# Allegro board ADALM-PLUTO Layout.brd (continued)
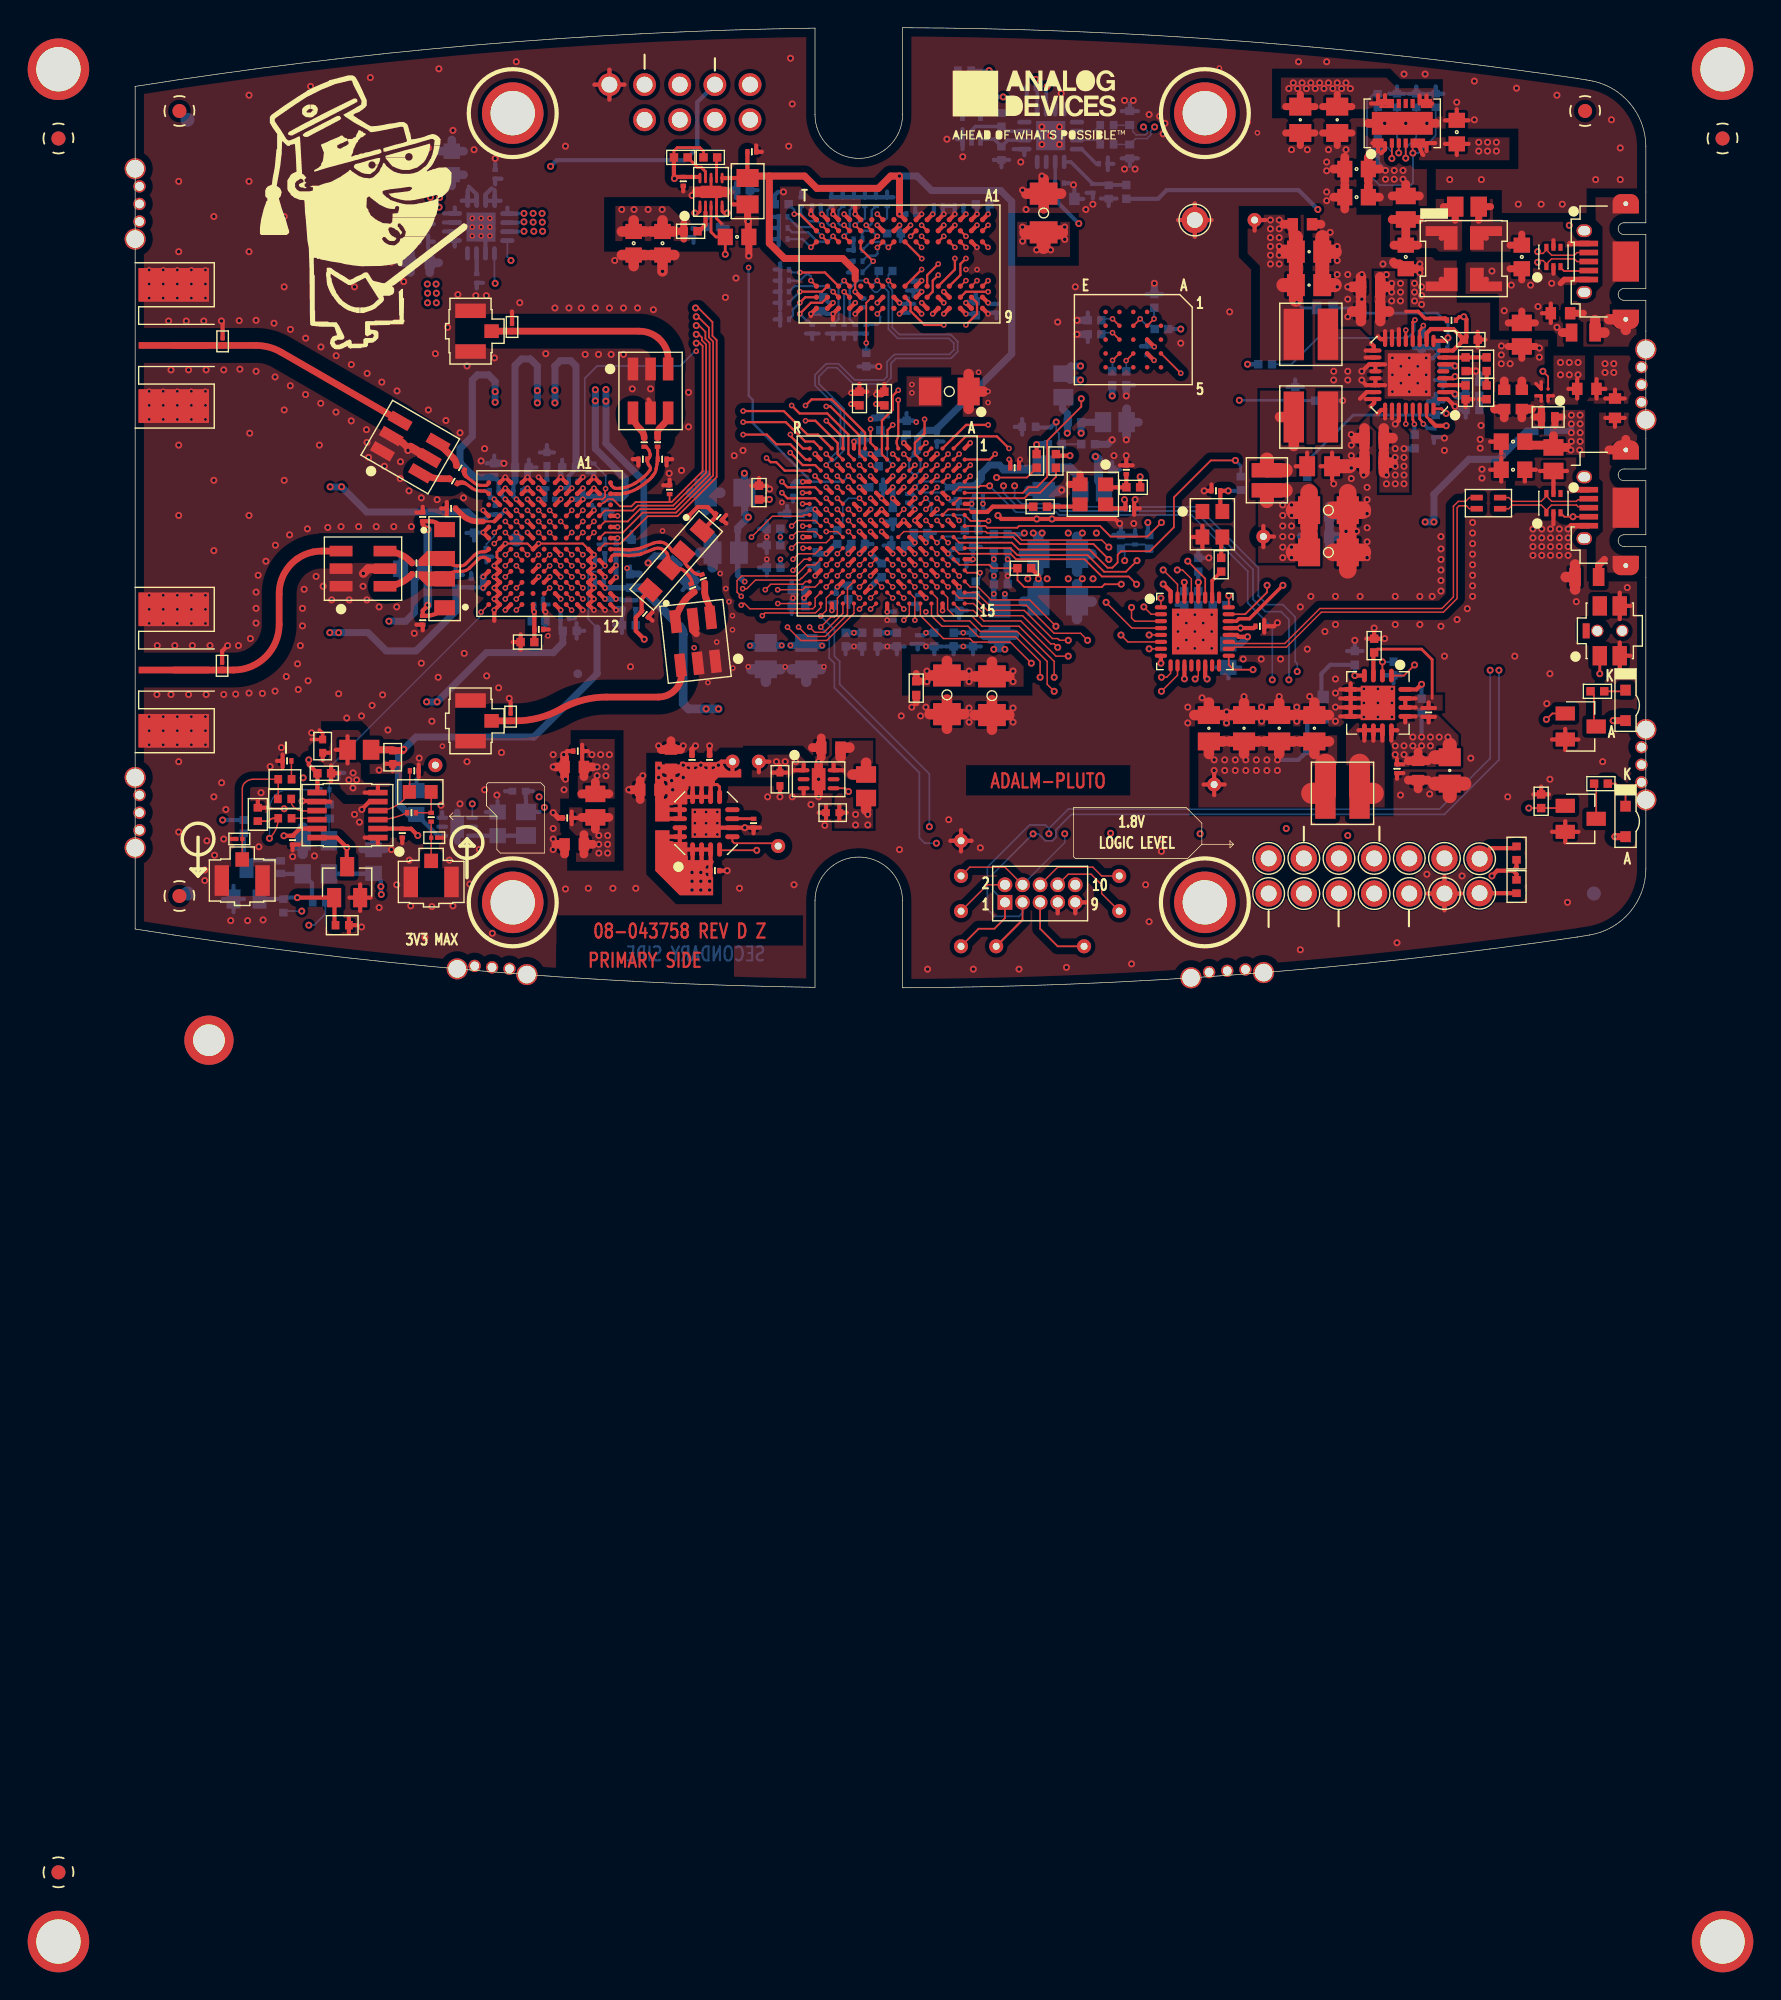
[diagram p0: board, top side]
## Routing (per net, layer and track width the routed paths; a pad name or vN(x,y) marks a point on that pad's centre or on a via; arc(x,y) is an arc through that point) (continued)
  BOTTOM w0.127: v1(57.38,11.63) 57.38,15.44 50.9,21.92 50.9,23.57 50.52,23.95 50.52,25.86 v2(49.53,26.85)
PL_GPIO4: length 73
  TOP w0.102: U4.M14 50.73,28.15 50.73,26.98 50.52,26.77 50.25,26.77 v2(49.53,26.05)
  TOP w0.305: L9N.1 R68.2
  L6_SIG w0.127: v1(57.88,10.44) 57.88,5.11 58.81,4.26 69.7,4.26 70.58,3.38 78.59,3.38 80.11,4.9 96.49,4.9 97.13,5.53 L9N.1
  BOTTOM w0.127: v2(49.53,26.05) 49.53,26.04 50.14,25.44 50.14,23.82 50.52,23.44 50.52,21.66 56.66,15.52 56.66,10.82 57.04,10.44 v1(57.88,10.44)
PS-SRST#: length 33.3
  TOP w0.127: U4.B11 59.53,30.55 61.7,30.55 61.95,30.3 R74.2 63.74,29.44 64.23,28.94 69.84,28.94 70.04,29.14 v1(71.24,29.14) ; v2(75.54,44.38) U13.A4
  L5_SIG w0.127: v1(71.24,29.14) 72.24,30.14 73.44,30.14 75.54,32.24 v2(75.54,44.38)
PS_GPIO0: length 54.7
  TOP w0.102: U4.D8 v2(57.13,33.75)
  L5_SIG w0.127: v2(57.13,33.75) 57.53,34.15 58.13,34.15 58.63,34.65 59.23,34.65 60.03,35.45 62.73,35.45 v1(63.53,36.25)
  L6_SIG w0.127: MIO0.1 92.05,10.87 84.35,18.57 84.35,22.44 v1(83.95,22.84)
  BOTTOM w0.127: v1(63.53,36.25) 63.53,35.45 64.03,34.95 66.76,34.95 66.98,34.73 76.75,34.73 81.14,30.34 81.14,28.31 81.77,27.67 82.92,27.67 83.81,26.78 83.81,23.56 83.95,23.41 v1(83.95,22.84)
PS_GPIO1: length 55.8
  TOP w0.127: U4.B10 59.53,31.35 63.23,31.35 63.63,30.95 68.59,30.95 69.84,29.7 71.78,29.7 v1(72.34,29.14)
  L5_SIG w0.127: v1(72.34,29.14) 73.44,28.04 73.44,27.14 72.44,26.14 72.44,13.51 76.19,9.76 79.44,9.76 80.62,8.58 80.62,6.04 81.25,5.41 90.65,5.41 MIO10.1
PS_GPIO2: length 52.9
  TOP w0.127: U4.D6 v2(57.13,34.55)
  L5_SIG w0.127: v1(62.73,36.25) 62.23,35.75 59.73,35.75 58.93,34.95 57.53,34.95 v2(57.13,34.55)
  L6_SIG w0.127: MIO11.1 89.51,12.77 83.35,18.93 v1(83.35,22.24)
  BOTTOM w0.127: v1(83.35,22.24) 83.35,26.6 82.79,27.16 81.65,27.16 80.76,28.05 80.76,30.21 76.54,34.43 66.85,34.43 66.64,34.65 63.83,34.65 62.73,35.75 v1(62.73,36.25)
PS_GPIO3: length 51.1
  TOP w0.127: U4.B5 59.53,36.15 60.93,36.15 61.03,36.25 v1(61.73,36.25)
  L6_SIG w0.127: v1(82.15,22.24) 82.15,19.5 88.24,13.41 88.24,8.07 MIO09.1
  BOTTOM w0.127: v1(61.73,36.25) 63.63,34.35 66.54,34.35 66.74,34.15 76.31,34.15 80.38,30.08 80.38,27.8 82.15,26.03 v1(82.15,22.24)
PS_GPIO4: length 43.3
  TOP w0.127: U4.C13 v2(58.73,28.95)
  L6_SIG w0.127: MIO53.1 86.97,11.63 85.19,13.41 68.97,13.41 66.75,15.63 63.43,15.63 60.93,18.14 60.93,26.24 58.73,28.45 v2(58.73,28.95)
PS_GPIO5: length 45.8
  TOP w0.127: U4.D13 v2(57.93,28.95)
  L5_SIG w0.127: MIO49.1 85.7,8.07 83.67,8.07 83.16,8.58 v1(83.16,11.5)
  L6_SIG w0.127: v1(83.16,11.5) 82.01,12.65 68.68,12.65 67.62,13.71 64.16,13.71 58.93,18.94 58.93,27.24 57.93,28.24 v2(57.93,28.95)
PS_GPIO6: length 136.7
  TOP w0.127: v2(59.54,29.74) U4.B12
  L5_SIG w0.127: MIO48.1 86.08,11 v1(87.6,11)
  L6_SIG w0.127: v1(87.6,11) 87.6,12.39 86.21,13.79 69.19,13.79 66.95,16.03 63.63,16.03 61.33,18.34 61.33,26.34 59.13,28.54 59.13,29.34 v2(59.54,29.74) ; MIO48.1 84.43,8.58 83.16,7.31 83.16,5.66 82.78,5.28 79.86,5.28 78.33,3.76 70.71,3.76 69.82,4.65 59.03,4.65 58.34,5.33 58.34,11.81 57.76,12.39 56.11,12.39 54.71,11 50.26,11 49.5,10.23 48.87,10.23 44.42,5.79 31.98,5.79 29.31,3.12 25.5,3.12 24.1,4.52 17.63,4.52 16.61,5.53 v1(12.04,5.53)
  BOTTOM w0.127: v1(12.04,5.53) 10.82,5.53 R102.2
PS_MIO01_500_QSPI0_SS_B: length 38.3
  TOP w0.127: U4.A5 64.13,35.75 64.54,36.15 65.14,36.15 65.89,36.9 65.89,39.5 68.35,41.97 v1(68.35,42.55) ; U13.C2 v2(72.61,48.31)
  L5_SIG w0.127: v2(72.61,48.31) 72.94,48.64 72.94,50.16 72.74,50.36 72.34,50.36 72.13,50.15 72.13,48.74 71.98,48.59 71.77,48.59 71.62,48.74 71.62,50.39 71.47,50.54 71.26,50.54 71.11,50.39 71.11,48.99 70.97,48.84 70.76,48.84 70.61,48.99 70.61,50.39 70.46,50.54 70.25,50.54 70.1,50.39 70.1,48.99 69.95,48.84 69.74,48.84 69.59,48.99 69.59,50.09 69.44,50.24 69.02,50.24 68.81,50.03 68.81,43 v1(68.35,42.55)
  BOTTOM w0.127: R14.2 73.39,47.83 73.09,47.83 v2(72.61,48.31)
PS_MIO02_500_QSPI0_IO0: length 33.8
  TOP w0.127: U4.A8 61.43,33.35 61.56,33.22 63.73,33.22 63.85,33.35 69.71,33.35 70.47,32.59 73.12,32.59 v1(74.14,33.6) ; U13.D3 v2(70.61,47.31)
  L5_SIG w0.127: v1(74.14,33.6) 74.14,40.08 73.84,40.38 73.84,40.59 74.01,40.76 74.01,40.97 73.86,41.12 73.65,41.12 73.48,40.95 73.27,40.95 73.04,41.18 73.04,41.39 73.27,41.62 73.27,41.83 73.13,41.98 72.91,41.98 72.68,41.75 72.47,41.75 72.24,41.98 72.24,46.3 71.23,47.31 v2(70.61,47.31)
  BOTTOM w0.127: v2(70.61,47.31) 69.93,47.31 R120.1
PS_MIO03_500_QSPI0_IO1: length 37.5
  TOP w0.127: U4.A7 60.36,33.72 v2(61.65,33.72) ; U13.D2 v2(70.61,48.31)
  L5_SIG w0.127: v2(70.61,48.31) 69.54,48.31 69.19,47.95 69.19,47.59 69.34,47.44 69.8,47.44 69.95,47.29 69.95,47.08 69.8,46.93 69.34,46.93 69.19,46.78 69.19,41.92 69.04,41.77 68.32,41.77 68.17,41.62 68.17,41.41 68.32,41.26 69.04,41.26 69.19,41.11 69.19,39.3 68.94,39.05 67.27,39.05 66.77,38.55 66.77,38.09 68.02,36.84 68.02,36.63 67.87,36.48 67.66,36.48 66.41,37.73 66.2,37.73 66.05,37.58 66.05,37.37 66.67,36.75 66.67,36.54 66.52,36.39 66.31,36.39 65.69,37.01 65.48,37.01 65.33,36.86 65.33,36.65 66.25,35.73 66.25,35.52 66.1,35.37 65.89,35.37 64.97,36.29 64.76,36.29 64.61,36.14 64.61,35.93 65.23,35.32 65.23,35.1 65.08,34.96 64.87,34.96 64.26,35.57 64.05,35.57 63.09,34.62 61.95,34.62 61.65,34.32 v2(61.65,33.72)
  BOTTOM w0.127: v2(70.61,48.31) 69.91,48.31 R119.1
PS_MIO04_500_QSPI0_IO2: length 36
  TOP w0.127: U13.C4 v2(71.59,45.29) ; U4.C8 v2(57.93,33.75)
  L5_SIG w0.127: v2(57.93,33.75) 58.23,33.85 58.53,34.15 60.39,34.15 61.31,33.22 62.31,33.22 63.58,34.49 67.11,34.49 67.79,33.81 68,33.81 68.15,33.96 68.15,34.17 67.47,34.85 67.47,35.06 67.62,35.21 67.83,35.21 68.51,34.53 68.72,34.53 68.87,34.68 68.87,34.89 68.19,35.57 68.19,35.78 68.34,35.93 68.55,35.93 69.23,35.25 69.44,35.25 69.59,35.4 69.59,35.61 68.91,36.29 68.91,36.5 69.09,36.68 69.3,36.68 70.17,35.81 70.38,35.81 70.53,35.96 70.53,36.17 69.66,37.04 69.66,37.25 70.08,37.67 70.08,41.86 69.57,42.36 69.57,45.03 70.46,45.92 70.97,45.92 v2(71.59,45.29)
  BOTTOM w0.127: R121.1 71.6,45.29 v2(71.59,45.29)
PS_MIO05_500_QSPI0_IO3: length 73.5
  TOP w0.127: JTAG_BOOT.1 66.65,2.99 65.38,4.26 P1.5 ; v1(70.34,30.93) 69.23,32.05 63.93,32.05 63.43,32.55 U4.A9 ; U13.D4 v2(70.61,45.31)
  L5_SIG w0.127: P1.5 65.38,5.28 65.89,4.77 68.55,4.77 69.31,5.53 69.31,18.74 70.09,19.52 70.09,25.88 70.84,26.64 70.84,28.04 70.09,28.79 70.09,30.08 70.34,30.34 v1(70.34,30.93) 71.46,32.05 72.54,32.05 73.63,33.14 73.63,38.43 73.04,39.02 73.04,39.23 73.53,39.72 73.53,39.93 73.38,40.07 73.17,40.07 72.68,39.59 72.47,39.59 72.29,39.77 72.29,39.98 72.72,40.4 72.72,40.61 72.57,40.76 72.36,40.76 71.93,40.34 71.72,40.34 71.57,40.49 71.57,40.7 72,41.12 72,41.33 71.85,41.48 71.64,41.48 71.22,41.06 71.01,41.06 70.86,41.2 70.86,41.41 71.28,41.84 71.28,42.05 71.13,42.2 70.37,42.2 69.95,42.62 69.95,44.65 v2(70.61,45.31)
  BOTTOM w0.127: R122.1 70.61,44.54 v2(70.61,45.31)
PS_MIO06_500_QSPI0_SCLK: length 34.6
  TOP w0.127: v1(72.38,30.85) 71.58,30.05 70,30.05 68.8,31.25 63.73,31.25 63.23,31.75 U4.A10 ; U13.B2 v2(73.61,48.31)
  L5_SIG w0.127: v1(72.38,30.85) 74.65,33.12 74.65,41.22 72.74,43.13 72.74,47.44 v2(73.61,48.31)
  BOTTOM w0.127: R116.1 73.61,49.08 v2(73.61,48.31)
PS_MIO07_500_USB_RESET_B: length 22.2
  TOP w0.127: U4.A12 60.1,29.97 v2(61.04,29.97) ; U15.27 77.3,29.55 v1(76.05,30.81)
  L6_SIG w0.127: v1(76.05,30.81) 74.12,30.81 73.24,29.93 73.24,29.24 72.64,28.64 70.84,28.64 69.44,30.04 68.34,30.04 68.14,30.24 61.3,30.24 v2(61.04,29.97)
  BOTTOM w0.127: R76.2 61.04,29.64 v2(61.04,29.97)
PS_MIO28_501_USB0_D4: length 23.7
  TOP w0.102: v1(66.65,24.58) 66.39,24.84 66.14,24.84 64.11,26.87 61.44,26.87 60.56,27.75 U4.A15 ; v1(73.25,24.48) U15.7
  L6_SIG w0.114: v1(66.65,24.58) 66.65,24.08 66.52,23.95 66.14,23.95 66.01,24.08 66.01,24.46 65.76,24.71 65.5,24.71 65.25,24.46 65.25,23.57 65.5,23.31 73.25,23.31 74.27,24.33 74.27,24.84 74.14,24.97 73.74,24.97 v1(73.25,24.48)
PS_MIO29_501_USB0_DIR: length 24.9
  TOP w0.102: v1(74.27,30.17) 75.3,29.14 U15.31 ; U4.D11 v2(57.93,30.55)
  L6_SIG w0.114: v2(57.93,30.55) 58.33,30.14 58.93,30.14 59.32,30.53 59.85,30.53 60.24,30.14 60.24,29.34 60.67,28.9 63.41,28.9 63.56,28.76 63.56,28.29 63.7,28.14 63.91,28.14 64.05,28.29 64.05,28.56 64.2,28.7 64.4,28.7 64.55,28.56 64.55,28.29 64.69,28.14 64.9,28.14 65.04,28.29 65.04,28.56 65.19,28.7 65.39,28.7 65.54,28.56 65.54,28.29 66.69,27.14 70.34,27.14 71.55,28.34 72.84,28.34 73.74,29.24 73.74,29.65 v1(74.27,30.17)
PS_MIO30_501_USB0_STP: length 25.2
  TOP w0.102: v1(67.41,23.95) 66.52,23.95 63.98,26.49 61.31,26.49 60.55,27.25 59.62,27.25 U4.B15 ; U15.29 76.3,29.53 75.66,30.17 v1(75.28,30.17)
  L6_SIG w0.114: v1(67.41,23.95) 67.79,23.95 68.04,23.7 71.6,23.7 72.74,24.84 72.74,25.85 73.25,26.36 74.01,26.36 75.28,27.63 v1(75.28,30.17)
PS_MIO31_501_USB0_NXT: length 24
  TOP w0.102: v1(72.87,27.51) 73.4,26.98 U15.2 ; U4.C12 v2(58.73,29.75)
  L6_SIG w0.114: v2(58.73,29.75) 58.93,29.75 59.43,30.24 59.73,30.24 59.93,30.05 59.93,28.75 61.04,27.63 61.77,27.63 61.91,27.49 61.91,26.89 62.06,26.74 62.26,26.74 62.41,26.89 62.41,27.49 62.55,27.63 62.76,27.63 62.9,27.49 62.9,26.89 63.05,26.74 63.25,26.74 63.4,26.89 63.4,27.49 63.54,27.63 63.75,27.63 63.89,27.49 63.89,26.89 64.04,26.74 64.24,26.74 64.39,26.89 64.39,27.49 64.53,27.63 64.74,27.63 64.88,27.49 64.88,26.89 65.03,26.74 70.45,26.74 71.72,28.01 72.36,28.01 v1(72.87,27.51)
PS_MIO32_501_USB0_D0: length 22.8
  TOP w0.102: v1(64.74,23.44) 63.22,24.97 60.55,24.97 60.3,25.22 58.39,25.22 56.73,26.88 U4.E15 ; v1(71.98,27.47) 71.98,26.71 72.21,26.48 U15.3
  L6_SIG w0.114: v1(71.98,27.47) 70.75,26.24 67.64,26.24 66.88,25.47 65.76,25.47 64.74,24.46 v1(64.74,23.44)
PS_MIO33_501_USB0_D1: length 22.1
  TOP w0.102: U4.C11 58.74,30.54 v2(58.73,30.54) ; U15.4 72,25.98 v1(70.14,27.84)
  L6_SIG w0.114: v1(70.14,27.84) 69.04,27.84 68.89,27.98 68.89,28.76 68.75,28.9 68.54,28.9 68.4,28.76 68.4,27.98 68.25,27.84 68.05,27.84 67.9,27.98 67.9,28.76 67.76,28.9 67.55,28.9 67.41,28.76 67.41,27.98 67.26,27.84 66.95,27.84 65.75,29.04 63.94,29.04 63.74,29.24 60.94,29.24 60.54,29.64 60.54,30.34 59.94,30.94 59.33,30.94 59.13,30.74 v2(58.73,30.54)
PS_MIO34_501_USB0_D2: length 25.3
  TOP w0.102: U4.D15 57.53,26.87 58.29,26.11 60.17,26.11 60.93,25.35 63.6,25.35 65.38,23.57 v1(65.38,22.43) ; v1(73.25,25.48) U15.5
  L6_SIG w0.114: v1(73.25,25.48) 74.39,25.48 74.7,25.17 74.7,23.24 74.39,22.93 65.89,22.93 v1(65.38,22.43)
PS_MIO35_501_USB0_D3: length 23.7
  TOP w0.102: U15.6 71.72,24.98 v1(71.22,25.47) ; v1(68.81,25.09) 68.3,25.6 66.39,25.6 64.36,27.63 61.69,27.63 60.78,28.55 U4.A14
  L6_SIG w0.114: v1(71.22,25.47) 71.22,25.85 71.35,25.98 71.83,25.98 71.98,25.83 71.98,25.22 71.47,24.71 70.72,24.71 70.58,24.86 70.58,25.71 70.43,25.85 70.23,25.85 70.08,25.71 70.08,24.86 69.94,24.71 69.57,24.71 69.44,24.84 69.44,25.73 69.31,25.85 68.17,25.85 68.04,25.73 68.04,25.35 68.3,25.09 v1(68.81,25.09)
PS_MIO36_501_USB0_CLK: length 23.1
  TOP w0.102: v1(67.41,25.09) 66.77,25.09 66.65,25.22 66.27,25.22 64.23,27.25 61.57,27.25 60.68,28.14 59.54,28.14 U4.B14 ; U15.1 v1(74.1,28.14)
  L6_SIG w0.114: v1(67.41,25.09) 68.43,24.08 68.76,24.08 69.01,24.33 69.25,24.33 69.5,24.08 69.75,24.08 70,24.33 70.24,24.33 70.5,24.08 71.35,24.08 72.36,25.09 72.36,26.49 72.62,26.74 73.89,26.74 74.9,27.76 74.9,28.52 74.78,28.65 74.23,28.65 74.1,28.52 v1(74.1,28.14)
PS_MIO37_501_USB0_D5: length 24.4
  TOP w0.102: v1(66.39,22.43) 66.39,23.57 63.85,26.11 61.19,26.11 60.42,26.87 59.15,26.87 58.7,27.33 58.7,28.18 U4.C14 ; U15.9 74.8,22.71 74.52,22.43 v1(74.14,22.43)
  L6_SIG w0.114: v1(74.14,22.43) 73.34,22.43 73.19,22.28 73.19,21.94 73.05,21.79 72.84,21.79 72.7,21.94 72.7,22.28 72.55,22.43 72.35,22.43 72.2,22.28 72.2,21.94 72.06,21.79 71.85,21.79 71.71,21.94 71.71,22.28 71.56,22.43 71.36,22.43 71.21,22.28 71.21,21.94 71.07,21.79 70.86,21.79 70.72,21.94 70.72,22.28 70.57,22.43 70.37,22.43 70.22,22.28 70.22,21.94 70.08,21.79 67.54,21.79 66.9,22.43 v1(66.39,22.43)
PS_MIO38_501_USB0_D6: length 25.5
  TOP w0.102: v1(74.14,21.41) 75.3,22.57 U15.10 ; v1(66.52,26.11) 64.62,28.01 61.82,28.01 60.89,28.95 60.33,28.95 U4.A13
  L6_SIG w0.114: v1(74.14,21.41) 67.16,21.41 66.65,21.92 64.87,21.92 64.23,22.55 64.23,24.46 65.89,26.11 v1(66.52,26.11)
PS_MIO39_501_USB0_D7: length 25.5
  TOP w0.102: U4.D14 57.96,28.12 57.96,27 58.47,26.49 60.3,26.49 61.06,25.73 63.73,25.73 65.89,23.57 65.89,21.92 v1(66.39,21.41) ; U15.13 76.8,22.53 v1(76.58,22.3)
  L6_SIG w0.114: v1(76.58,22.3) 75.18,20.9 66.9,20.9 v1(66.39,21.41)
PWR_CLK: length 38.2
  TOP w0.127: v1(92.43,23.31) 91.66,22.55 U3.1
  L6_SIG w0.203: v1(92.43,23.31) 92.43,25.02 91.93,25.51 91.93,29.19 92.7,29.96 92.7,39.23 92.06,39.86 89.9,39.86 88.38,41.39 80.81,41.39 v1(79.77,42.43)
  BOTTOM w0.203: R89.2 83.83,42.4 R90.1 v1(79.77,42.43)
RX1A_N: length 2.6
  TOP w0.229: C133.2 arc(23.54,36.54) 23.84,36.45 24.33,36.09 arc(24.64,35.93) 24.99,35.87 25.18,35.87 arc(25.38,35.82) U5.M2
RX1A_P: length 2.5
  TOP w0.229: U5.M1 arc(25.49,36.34) 25.35,36.28 24.99,36.28 arc(24.77,36.32) 24.57,36.42 23.87,36.93 arc(23.76,37.06) 23.71,37.23 arc(23.72,37.31) C134.2
RX2A_N: length 5.6
  TOP w0.229: U5.A1 34.34,36.43 arc(34.36,36.35) 34.41,36.27 34.55,36.14 arc(34.62,36.09) 34.71,36.07 34.96,36.07 arc(34.98,36.07) 34.99,36.07 35.18,36.1 arc(35.66,36.22) 36.11,36.43 arc(36.46,36.66) 36.78,36.92 arc(37,37.14) 37.19,37.38 arc(37.23,37.55) 37.14,37.7 arc(37.1,37.75) 37.07,37.81 37.01,37.97 arc(36.99,38.04) 36.98,38.12 36.99,38.12 ; 36.99,38.12 R69.2 ; 36.99,38.12 arc(37.08,38.2) 37.15,38.29 arc(37.2,38.39) 37.21,38.51 arc(37.17,38.67) 37.12,38.82 36.93,39.07 arc(36.88,39.08) 36.84,39.08 C175.2
RX2A_P: length 5.7
  TOP w0.229: 37.74,38.27 37.76,38.26 R104.2 ; 37.74,38.27 37.74,38.47 arc(37.74,38.63) 37.74,38.79 C176.2 ; 37.74,38.27 arc(37.74,38.15) 37.73,38.03 arc(37.72,37.93) 37.7,37.84 arc(37.68,37.7) 37.65,37.56 arc(37.64,37.51) 37.63,37.46 arc(37.6,37.3) 37.52,37.15 arc(37.47,37.08) 37.42,37.01 arc(37.4,36.98) 37.38,36.96 arc(37.35,36.92) 37.33,36.89 arc(37.32,36.88) 37.31,36.87 37.28,36.83 arc(37.24,36.79) 37.2,36.74 arc(37.12,36.68) 37.05,36.62 arc(36.7,36.34) 36.33,36.09 arc(36.32,36.08) 36.32,36.08 arc(36,35.92) 35.67,35.79 arc(35.62,35.77) 35.56,35.76 arc(35.51,35.75) 35.47,35.74 arc(35.45,35.73) 35.44,35.73 arc(35.43,35.73) 35.43,35.73 arc(35.32,35.71) 35.22,35.69 35.05,35.67 arc(35.01,35.66) 34.96,35.66 34.82,35.66 arc(34.8,35.66) 34.78,35.66 arc(34.77,35.66) 34.76,35.66 34.71,35.66 arc(34.68,35.66) 34.66,35.66 arc(34.56,35.67) 34.45,35.68 U5.A2
SYNC: length 7.1
  TOP w0.305: U3.9 U3.10 ; U3.9 88.81,17.85 ; U3.9 88.37,18.6 ; U3.10 U3.11 90.11,17.85 ; U3.10 89.46,17.85
  TOP w1.524: 89.44,14.04 L4.1 88.45,16.14
TX1A_N: length 3.8
  TOP w0.229: L8.2 22.65,29.83 arc(22.91,30.01) 23.22,30.07 23.56,30.07 arc(23.88,30.13) 24.16,30.32 24.79,30.95 arc(24.94,31.05) 25.11,31.08 25.23,31.08 arc(25.33,31.06) 25.42,31 U5.M8
TX1A_P: length 3.8
  TOP w0.229: L9.2 22.64,30.72 arc(22.91,30.54) 23.22,30.47 23.56,30.47 arc(23.73,30.51) 23.87,30.6 24.5,31.23 arc(24.78,31.42) 25.11,31.49 25.23,31.49 arc(25.35,31.51) 25.44,31.57 U5.M7
TX2A_N: length 8
  TOP w0.229: C130.1 40.78,29.84 arc(40.66,29.85) 40.55,29.88 arc(40.47,29.92) 40.4,29.97 arc(40.31,30.04) 40.23,30.12 arc(40.19,30.17) 40.14,30.22 arc(40.09,30.27) 40.04,30.32 arc(40.03,30.33) 40.03,30.33 39.94,30.41 arc(39.91,30.44) 39.88,30.46 arc(39.7,30.71) 39.62,31 39.59,31.19 arc(39.59,31.25) 39.58,31.3 L1.2 39.33,31.4 arc(39.12,31.4) 38.92,31.46 arc(38.83,31.53) 38.75,31.61 arc(38.68,31.72) 38.59,31.82 arc(38.56,31.85) 38.53,31.89 arc(38.29,32.09) 37.98,32.18 37.98,32.17 37.85,32.18 arc(37.65,32.17) 37.45,32.12 36.51,31.75 arc(36.4,31.72) 36.29,31.69 35.75,31.63 arc(35.68,31.62) 35.61,31.62 35.19,31.66 arc(35.19,31.66) 35.18,31.66 34.96,31.67 arc(34.94,31.67) 34.91,31.67 34.71,31.68 arc(34.58,31.68) 34.46,31.68 U5.A7
TX2A_P: length 8
  TOP w0.229: 40.17,29.18 40.21,29.18 40.23,29.2 40.23,29.21 arc(40.21,29.38) 40.14,29.54 40.05,29.69 arc(40,29.75) 39.95,29.81 arc(39.86,29.93) 39.75,30.03 39.66,30.11 arc(39.44,30.25) 39.18,30.3 L7.2 38.53,30.34 38.55,30.83 arc(38.53,31.1) 38.44,31.35 arc(38.04,31.7) 37.5,31.7 36.58,31.34 arc(36.56,31.33) 36.54,31.32 arc(36.52,31.32) 36.5,31.31 35.8,31.22 arc(35.69,31.22) 35.58,31.22 34.93,31.27 arc(34.92,31.27) 34.91,31.27 34.66,31.27 arc(34.55,31.25) 34.46,31.18 arc(34.37,31.04) U5.A8
TX_VCO_1P1V_SUPPLY: length 3.4
  TOP w0.305: U5.A11 v2(34.74,28.08) ; U5.B11 v2(33.94,28.08)
  BOTTOM w0.305: R52.1 C128.1 35.16,28.08 v2(34.74,28.08)
  BOTTOM w0.406: v2(33.94,28.08) v2(34.74,28.08)
UART_RX: length 162.6
  TOP w0.127: U4.C6 v2(57.93,35.35) ; P1.1 62.84,5.03 62.08,4.26 60.93,4.26 RX.1
  L5_SIG w0.127: v2(57.93,35.35) 57.53,35.75 56.93,35.75 56.73,35.55 56.73,33.55 56.93,33.35 59.28,33.35 60.93,31.7 64.87,31.7 66.52,30.05 66.52,27.38 65.5,26.36 65.5,24.23 67.79,21.95 67.79,13.41 66.14,11.76 65.51,11.76 v1(64.87,11.11)
  L6_SIG w0.203: v1(98.52,22.93) 98.52,42.24 98.02,42.75 98.02,45.41 94.21,49.22 94.21,52.26 87.97,58.49 74.4,58.49 66.65,66.24 v1(61.69,66.24)
  BOTTOM w0.127: P1.1 61.95,7.06 61.95,8.19 v1(64.87,11.11) 65.26,11.11 65.76,10.61 66.27,10.61 66.52,10.87 66.52,11.4 67.64,12.52 94.59,12.52 98.52,16.46 v1(98.52,22.93)
  BOTTOM w0.254: v1(61.69,66.24) R95.2
UART_TX: length 153.5
  TOP w0.127: U4.B7 v2(59.53,33.75) ; 64.11,4.9 P1.3
  TOP w0.152: TX.1 64.11,4.9
  L5_SIG w0.127: v2(59.53,33.75) 59.53,33.75 60.95,32.33 65.38,32.33 67.92,29.79 67.92,28.52 68.43,28.01 68.43,25.32 68.38,25.27 68.38,24.91 68.43,24.87 68.43,13.54 v1(66.01,11.12)
  L6_SIG w0.203: v1(97.89,22.93) 97.89,42.24 97.51,42.62 97.51,45.33 93.7,49.14 93.7,52.14 87.86,57.99 74.31,57.99 67.2,65.1 v1(65.89,65.1)
  BOTTOM w0.127: 66.01,11.5 65.76,11.76 64.62,11.76 61.57,8.71 61.57,5.66 62.08,5.15 63.85,5.15 64.11,5.41 P1.3 ; 66.01,11.5 67.41,12.9 94.23,12.9 97.89,16.56 v1(97.89,22.93) ; 66.01,11.5 v1(66.01,11.12) ; 65.81,65.03 v1(65.89,65.1)
  BOTTOM w0.254: U9.2 65.81,65.03
UNNAMED_2_ADM7160V2_I254_VIN: length 4.3
  TOP w0.305: 50.46,16.12 U12.6 51.14,15.71
  TOP w0.762: 51.83,15.4 E2.2 52.8,16.25 ; 50.96,16.65 C173.1 51.6,17.35
UNNAMED_2_ADM7160V2_I348_VIN: length 3.9
  BOTTOM w0.305: U11.6 26.18,10.98 C195.1 28.22,10.98 E7.2
UNNAMED_2_ADP1754_I93_SS: length 1.5
  BOTTOM w0.305: U1.7 24.67,53.02 C2.1
UNNAMED_2_ADP1754_I233_SS: length 1.5
  TOP w0.203: C12.1 44.67,12.21 U7.7
UNNAMED_2_ADP2164_I29_EN: length 12.6
  TOP w0.203: 93.7,20.9 93.7,23.7 92.94,24.46 89.75,24.46 C13.1
  TOP w0.305: 92.5,20.9 U3.15 U3.14 92.5,20.25 ; R1.1 93.9,20.2 ; R1.1 93.44,20.61 ; R1.1 92.99,20.2 ; U3.3 89.46,24.16 C13.1
UNNAMED_2_ADP2164_I29_RT: length 1.8
  TOP w0.127: v1(90.11,23.53) U3.2
  BOTTOM w0.127: R3.2 90.88,23.53 v1(90.11,23.53)
UNNAMED_2_RES_I251_N2: length 2.3
  BOTTOM w0.305: R7.1 84.68,19.12 85.09,19.53 R4.2
UNNAMED_3_ICXC7Z010_I16_PSCLK50: length 7
  TOP w0.127: U4.C7 58.73,34.55 60.24,34.55 60.42,34.36
  TOP w0.305: R12.2 61.95,34.74 61.57,34.36 60.42,34.36
UNNAMED_3_ICXC7Z010_I16_PSMIO75: length 5
  TOP w0.127: U4.D9 v2(57.93,32.15)
  BOTTOM w0.127: R83.2 61.75,32.46 59.15,32.46 59.03,32.59 58.37,32.59 v2(57.93,32.15)
UNNAMED_3_ICXC7Z010_I16_PSMIO85: length 8.8
  TOP w0.127: R84.1 66.52,36.9 65.37,35.75 64.63,35.75 64.24,35.35 59.54,35.35 U4.B6
UNNAMED_3_RES_I2_N1: length 2.6
  TOP w0.305: R9.1 71.6,36.15 R8.2 70.32,36.14 Y2.1
UNNAMED_3_RES_I48_N1: length 2.5
  TOP w0.305: Y2.3 68.1,34.74 R12.1
UNNAMED_4_ICMT41K256M16_I98_ZQ: length 4.2
  TOP w0.127: U2.L8 52.82,49.47 v2(52.82,46.57)
  BOTTOM w0.165: v2(52.82,46.57) 52.82,45.86 R165.1
UNNAMED_4_ICTPS51206_I44_S3: length 1.5
  TOP w0.203: U14.7 42,59.92 R222.2
UNNAMED_4_ICTPS51206_I44_S5: length 2.2
  TOP w0.203: R221.2 40.63,59.26 40.89,59.26 41.2,58.94 U14.9
UNNAMED_4_ICTPS51206_I44_VLDOIN: length 2.2
  TOP w0.203: U14.2 41.2,56
  TOP w0.305: R44.2 40.74,54.63 41.2,55.1 41.2,56
UNNAMED_4_ICTPS51206_I44_VTTSNS: length 4.1
  TOP w0.203: U14.5 42.4,56.07 42.52,55.95 v1(42.77,55.95)
  BOTTOM w0.203: R43.2 41.26,55.46 41.5,55.7 42.52,55.7 v1(42.77,55.95)
  BOTTOM w0.305: C80.1 40.3,54.81 41.13,54.81 R43.2
UNNAMED_4_ICXC7Z010_I26_PSDDR_1: length 3.4
  TOP w0.127: U4.H3 v2(54.73,37.75)
  BOTTOM w0.127: R40.1 54.33,39.76 54.33,38.15 v2(54.73,37.75)
UNNAMED_4_ICXC7Z010_I26_PSDDRVR: length 1.2
  TOP w0.127: U4.J3 v2(53.13,37.75)
  BOTTOM w0.127: v2(53.13,37.75) 53.22,37.66 R41.1
UNNAMED_5_CAP_I83_N1: length 24.5
  TOP w0.305: U4.F7 56.33,34.55 v2(56.33,34.55)
  L6_SIG w0.102: U4.F7 55.93,33.45 56.19,33.19 56.75,33.19 56.73,33.21 56.73,34.15 57.33,34.15 57.53,33.95 57.53,33.19
  L6_SIG w0.305: U4.F7 v2(56.33,34.55) 56.73,34.15 ; 56.75,33.19 62.42,33.19 62.73,33.5
  L6_SIG w0.508: v1(67.34,40.06) 66.84,39.55 66.84,36.85 65.51,35.53 64.76,35.53 62.73,33.5
  BOTTOM w0.305: v2(56.33,34.55) 55.85,35.03 C98.1
  BOTTOM w0.508: v1(67.34,40.06) 67.34,40.82 C93.1 67.36,41.45 67,41.81 67,42.61 E5.2
UNNAMED_5_CAP_I83_N2: length 29.1
  TOP w0.305: U4.F8 v2(55.53,33.75) U4.G8 ; U4.J7 v2(53.93,34.55) 53.93,34.55 U4.H7 ; U4.F6 v2(56.33,35.35)
  L6_SIG w0.305: 54.73,34.55 55.52,35.35 v2(56.33,35.35) ; 54.73,34.55 v2(53.93,34.55) ; 54.73,34.55 54.73,34.05 55.03,33.75 v2(55.53,33.75) 55.53,33.05 55.86,32.71 63,32.71 63.34,33.05
  L6_SIG w0.508: 63.34,33.05 64.99,34.7 66.99,34.7 68.34,36.05 v1(68.34,40.06)
  BOTTOM w0.305: C98.2 56.11,35.67 56.33,35.45 v2(56.33,35.35)
  BOTTOM w0.508: v1(68.34,40.06) 68.34,40.83 C93.2 E6.2
UNNAMED_5_DIOLED_I62_N: length 2.5
  TOP w0.127: R87.1 106.97,14.74 107.67,14.04 DS2.C
UNNAMED_5_DIOLED_I91_N: length 1.6
  TOP w0.127: R48.1 107.58,21.41 DS1.C
UNNAMED_5_ICXC7Z010_I93_DONE0: length 67.5
  TOP w0.127: v1(101.95,19.38) 102.39,19.81 Q1.1 ; U4.M7 v2(50.73,34.55)
  L6_SIG w0.127: v2(50.73,34.55) 51.13,34.95 52.53,34.95 52.73,34.75 52.73,32.55 53.53,31.75 68.74,31.75 70.14,30.34 72.64,30.34 74.04,31.75 77.65,31.75 82.23,27.16 83.12,27.16 85.82,24.46 85.82,18.36 86.65,17.54 90.33,17.54 92.17,19.38 v1(101.95,19.38)
UNNAMED_5_ICXC7Z010_I93_INITB0: length 8.3
  TOP w0.127: R47.1 64.42,36.85 v1(62.23,36.85) ; U4.D5 v2(57.93,36.15)
  L5_SIG w0.127: v2(57.93,36.15) 60.63,36.15 61.33,36.85 v1(62.23,36.85)
UNNAMED_5_ICXC7Z010_I93_PROGRAM: length 4
  TOP w0.127: U4.K6 v2(52.33,35.35)
  BOTTOM w0.127: R46.1 51.13,33.44 51.13,34.95 51.53,35.35 52.33,35.35 v2(52.33,35.35)
UNNAMED_5_ICXC7Z010_I93_VCCBATT: length 5.2
  TOP w0.127: U4.E6 v2(57.13,35.35)
  BOTTOM w0.127: R45.2 59.93,33.05 59.93,33.95 59.74,34.15 57.73,34.15 57.53,34.35 57.53,34.94 v2(57.13,35.35)
UNNAMED_5_ICXC7Z010_I93_VP0: length 21.7
  TOP w0.127: v2(55.53,34.55) 55.13,34.15 U4.G7
  L6_SIG w0.127: v1(66.54,40.86) 66.54,40.06 66.34,39.85 66.34,37.15 65.34,36.15 64.44,36.15 63.39,35.1 62.49,35.1 61.64,34.25 58.93,34.25 58.23,34.95 55.93,34.95 v2(55.53,34.55)
  BOTTOM w0.127: R91.1 R11.2 66.74,39.45 66.74,40.06 66.54,40.26 v1(66.54,40.86)
  BOTTOM w0.305: v1(66.54,40.86) 66.54,40.86 66.14,40.46 65.1,40.46 R66.2
UNNAMED_5_RES_I63_N2: length 2.6
  TOP w0.127: Q4.3 105.55,14.59 R87.2
UNNAMED_5_RES_I90_N2: length 2.7
  TOP w0.127: Q1.3 105.38,19.03 105.38,21.17 R48.2
UNNAMED_7_AD9363_I87_RBIAS: length 3.7
  TOP w0.178: 25.94,33.68 25.14,33.68
  TOP w0.305: U5.L4 25.94,33.68
  TOP w0.406: R49.2 23.6,34.16 arc(24.14,33.8) 24.78,33.68 25.14,33.68
UNNAMED_7_AD9363_I87_XTALN: length 19.2
  TOP w0.102: v2(24.99,27.12) U5.M12
  BOTTOM w0.102: C204.2 14.03,14.29 arc(14.03,14.3) C157.2 14.03,15.46 arc(14.04,15.49) C124.1 14.06,15.86 arc(14.07,15.93) 14.11,15.99 14.27,16.15 arc(14.27,16.15) 14.28,16.16 24.81,26.69 arc(24.95,26.89) v2(24.99,27.12)
UNNAMED_7_CAP_I14_N1: length 9.8
  TOP w0.102: v1(9.7,10.79) 9.76,10.85 arc(10.19,11.49) R86.2
  TOP w0.127: R99.1 9.65,12.04 9.78,12.16 arc(9.88,12.22) 10,12.24 R86.2
  BOTTOM w0.102: v1(9.7,10.79) 9.7,12.87 arc(9.81,13.44) 10.13,13.92 arc(10.55,14.2) 11.05,14.3 C157.1
UNNAMED_7_CAP_I22_N2: length 1
  BOTTOM w0.305: C126.2 R51.1
UNNAMED_7_CAP_I25_N1: length 1.2
  BOTTOM w0.305: R52.2 36.15,26.2 arc(36.15,26.19) C127.1
UNNAMED_7_CAP_I57_N2: length 2.2
  TOP w0.483: T5.4 arc(19.12,31.31) C132.2
UNNAMED_7_CAP_I58_N2: length 2.2
  TOP w0.483: T5.6 arc(19.12,29.22) C131.2
UNNAMED_7_CAP_I85_N1: length 2.2
  TOP w0.483: T1.4 22.98,38.26 arc(23.15,38.01) C134.1
UNNAMED_7_CAP_I86_N1: length 2.2
  TOP w0.483: C133.1 22.68,36.76 22.18,36.76 arc(21.38,36.86) T1.6
UNNAMED_7_CAP_I92_N1: length 2.8
  TOP w0.102: CLK_IN.1 arc(21.39,10) D7.2 arc(21.39,11.42) C179.1
UNNAMED_7_CAP_I92_N2: length 2.6
  TOP w0.102: R96.1 C179.2 arc(20.83,12.64) R10.1
UNNAMED_7_CAP_I93_N1: length 4.3
  TOP w0.102: C180.1 arc(19.84,14.91) R96.2 arc(18.86,13.16) U17.4
UNNAMED_7_CAP_I116_N1: length 2
  TOP w0.483: C175.1 arc(36.71,40.03) 36.53,40.3 36.42,40.41 arc(36.08,40.92) T2.6
UNNAMED_7_CAP_I117_N1: length 2
  TOP w0.483: C176.1 37.74,40.04 arc(37.78,40.24) 37.89,40.4 38.18,40.7 arc(38.42,41.07) T2.4
UNNAMED_7_CAP_I118_N2: length 2.6
  TOP w0.483: C130.2 41.15,28.6 arc(41.17,28.36) 41.24,28.13 41.51,27.47 arc(41.6,27.17) 41.6,26.85 arc(41.59,26.79) T3.6
UNNAMED_7_CAP_I119_N2: length 2.6
  TOP w0.483: 39.05,26.45 39.05,26.54 arc(39.08,26.8) 39.17,27.05 39.35,27.41 arc(39.54,27.74) 39.77,28.05 arc(39.93,28.23) 40.12,28.39 40.36,28.58 arc(40.38,28.58) C156.2
